# Altium PCB Industrial-IO.PcbDoc (part 1 of 2)
Units mil, origin at the board's own origin, x right, y up, seen from the top; angles counter-clockwise.
Board outline 4527.56 x 2677.17 mil, 2 copper layers (Top Layer, Bottom Layer); 229 components, 299 nets, 967 pads, 166 vias.
Unrouted connection lines stored in the file: 79.
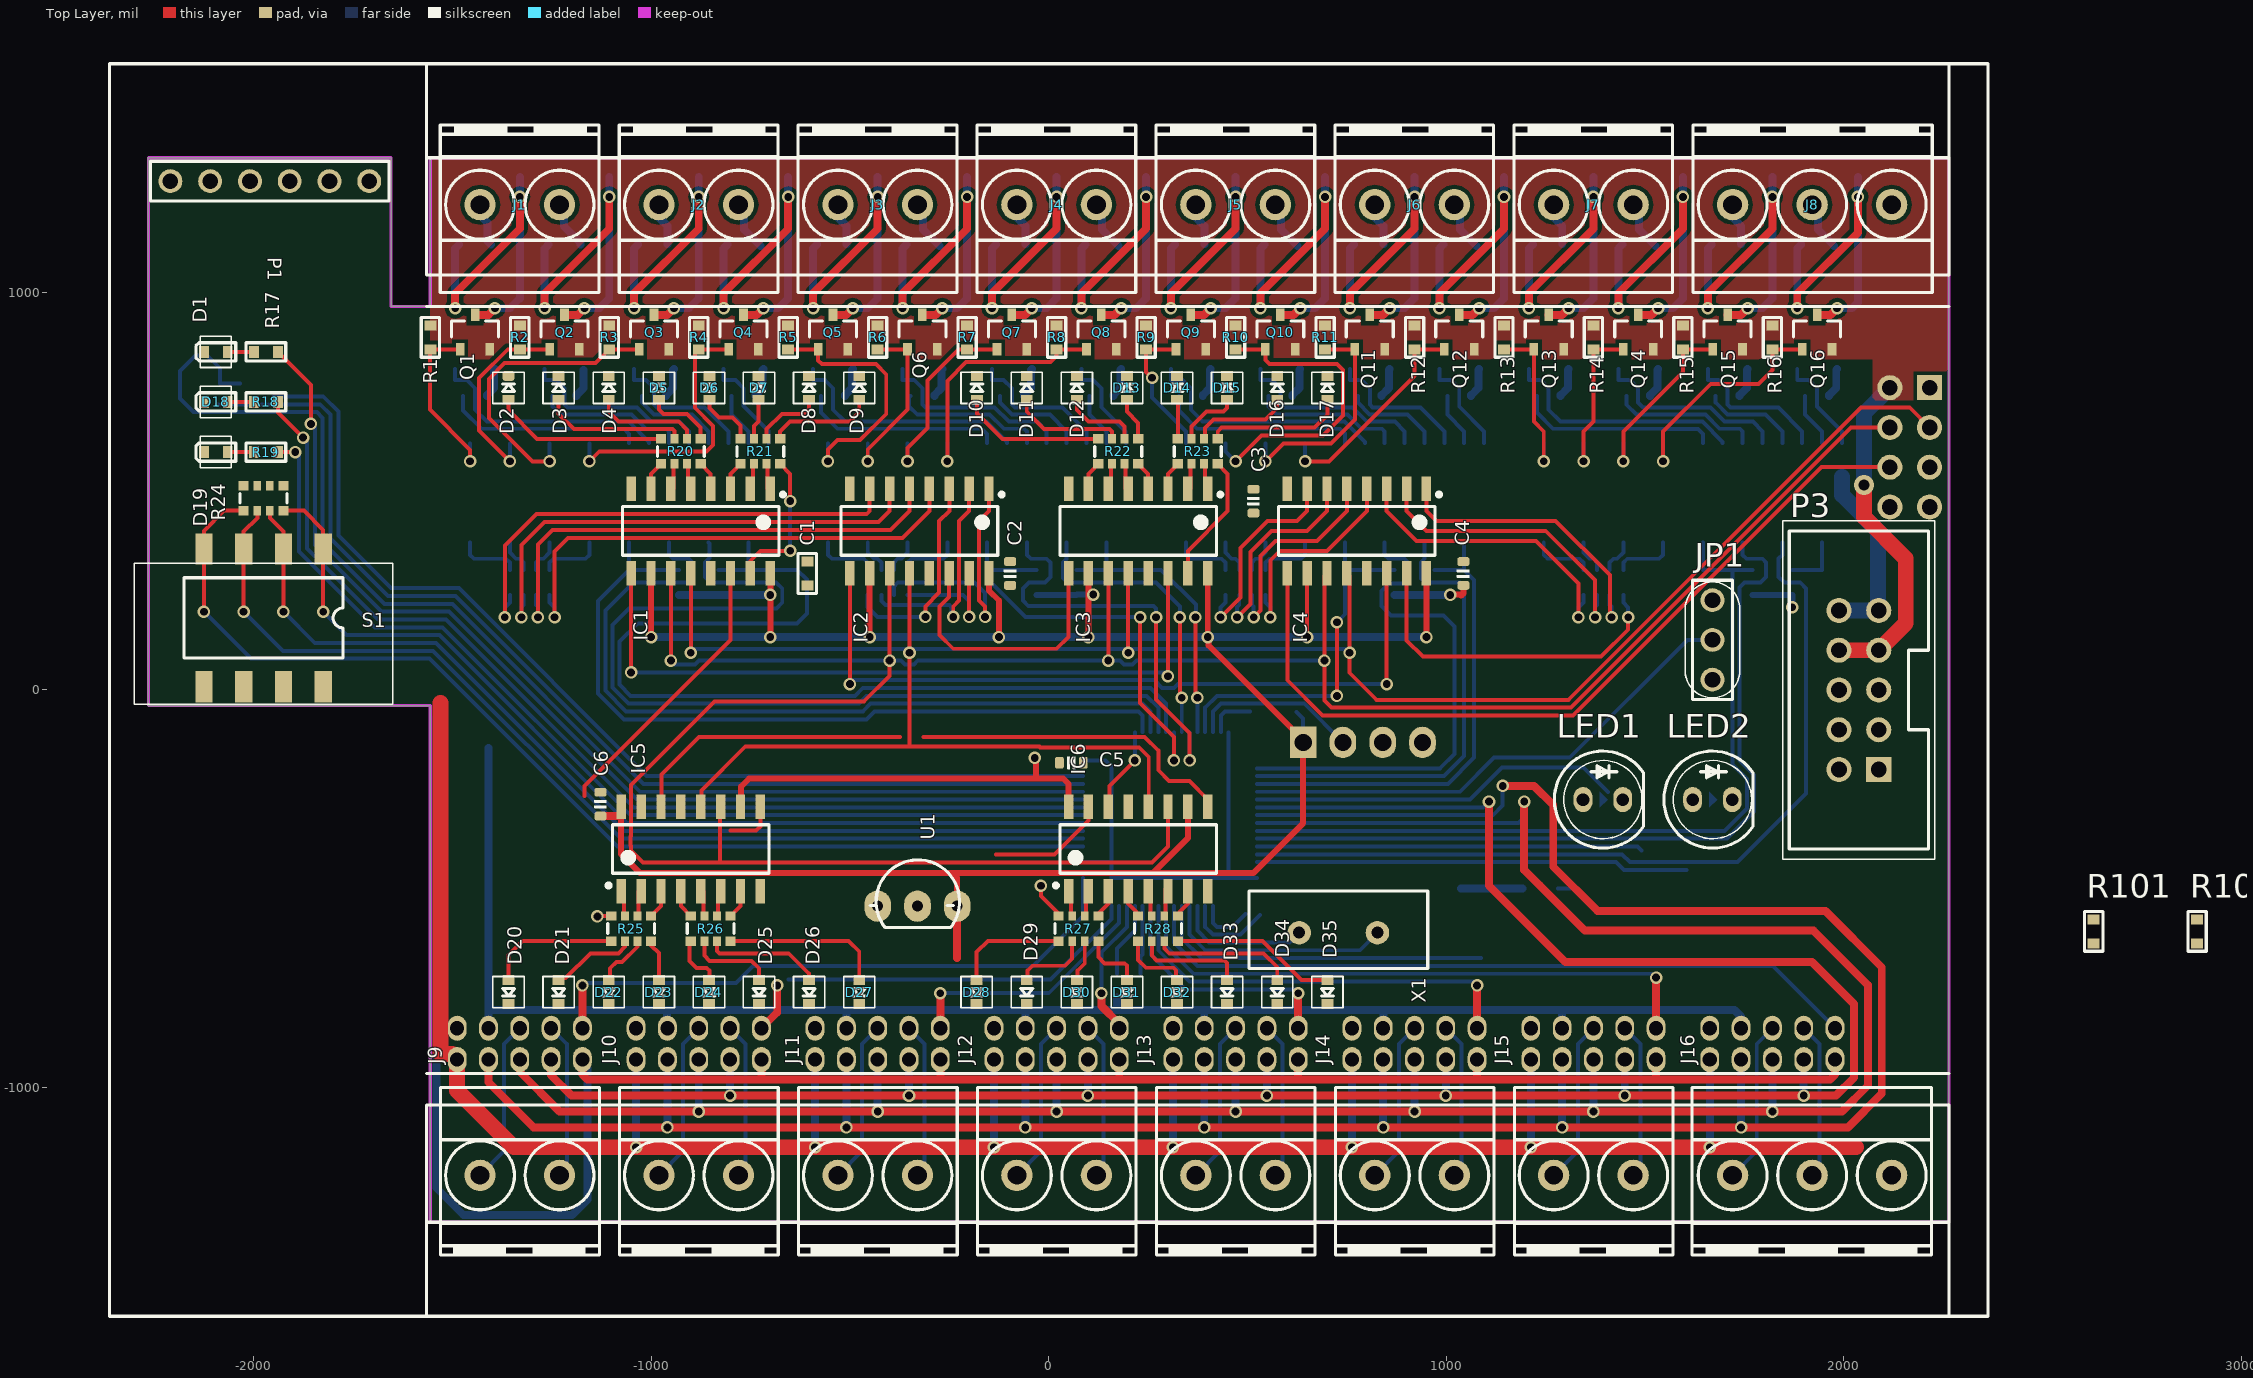
[diagram p0: Top Layer view]
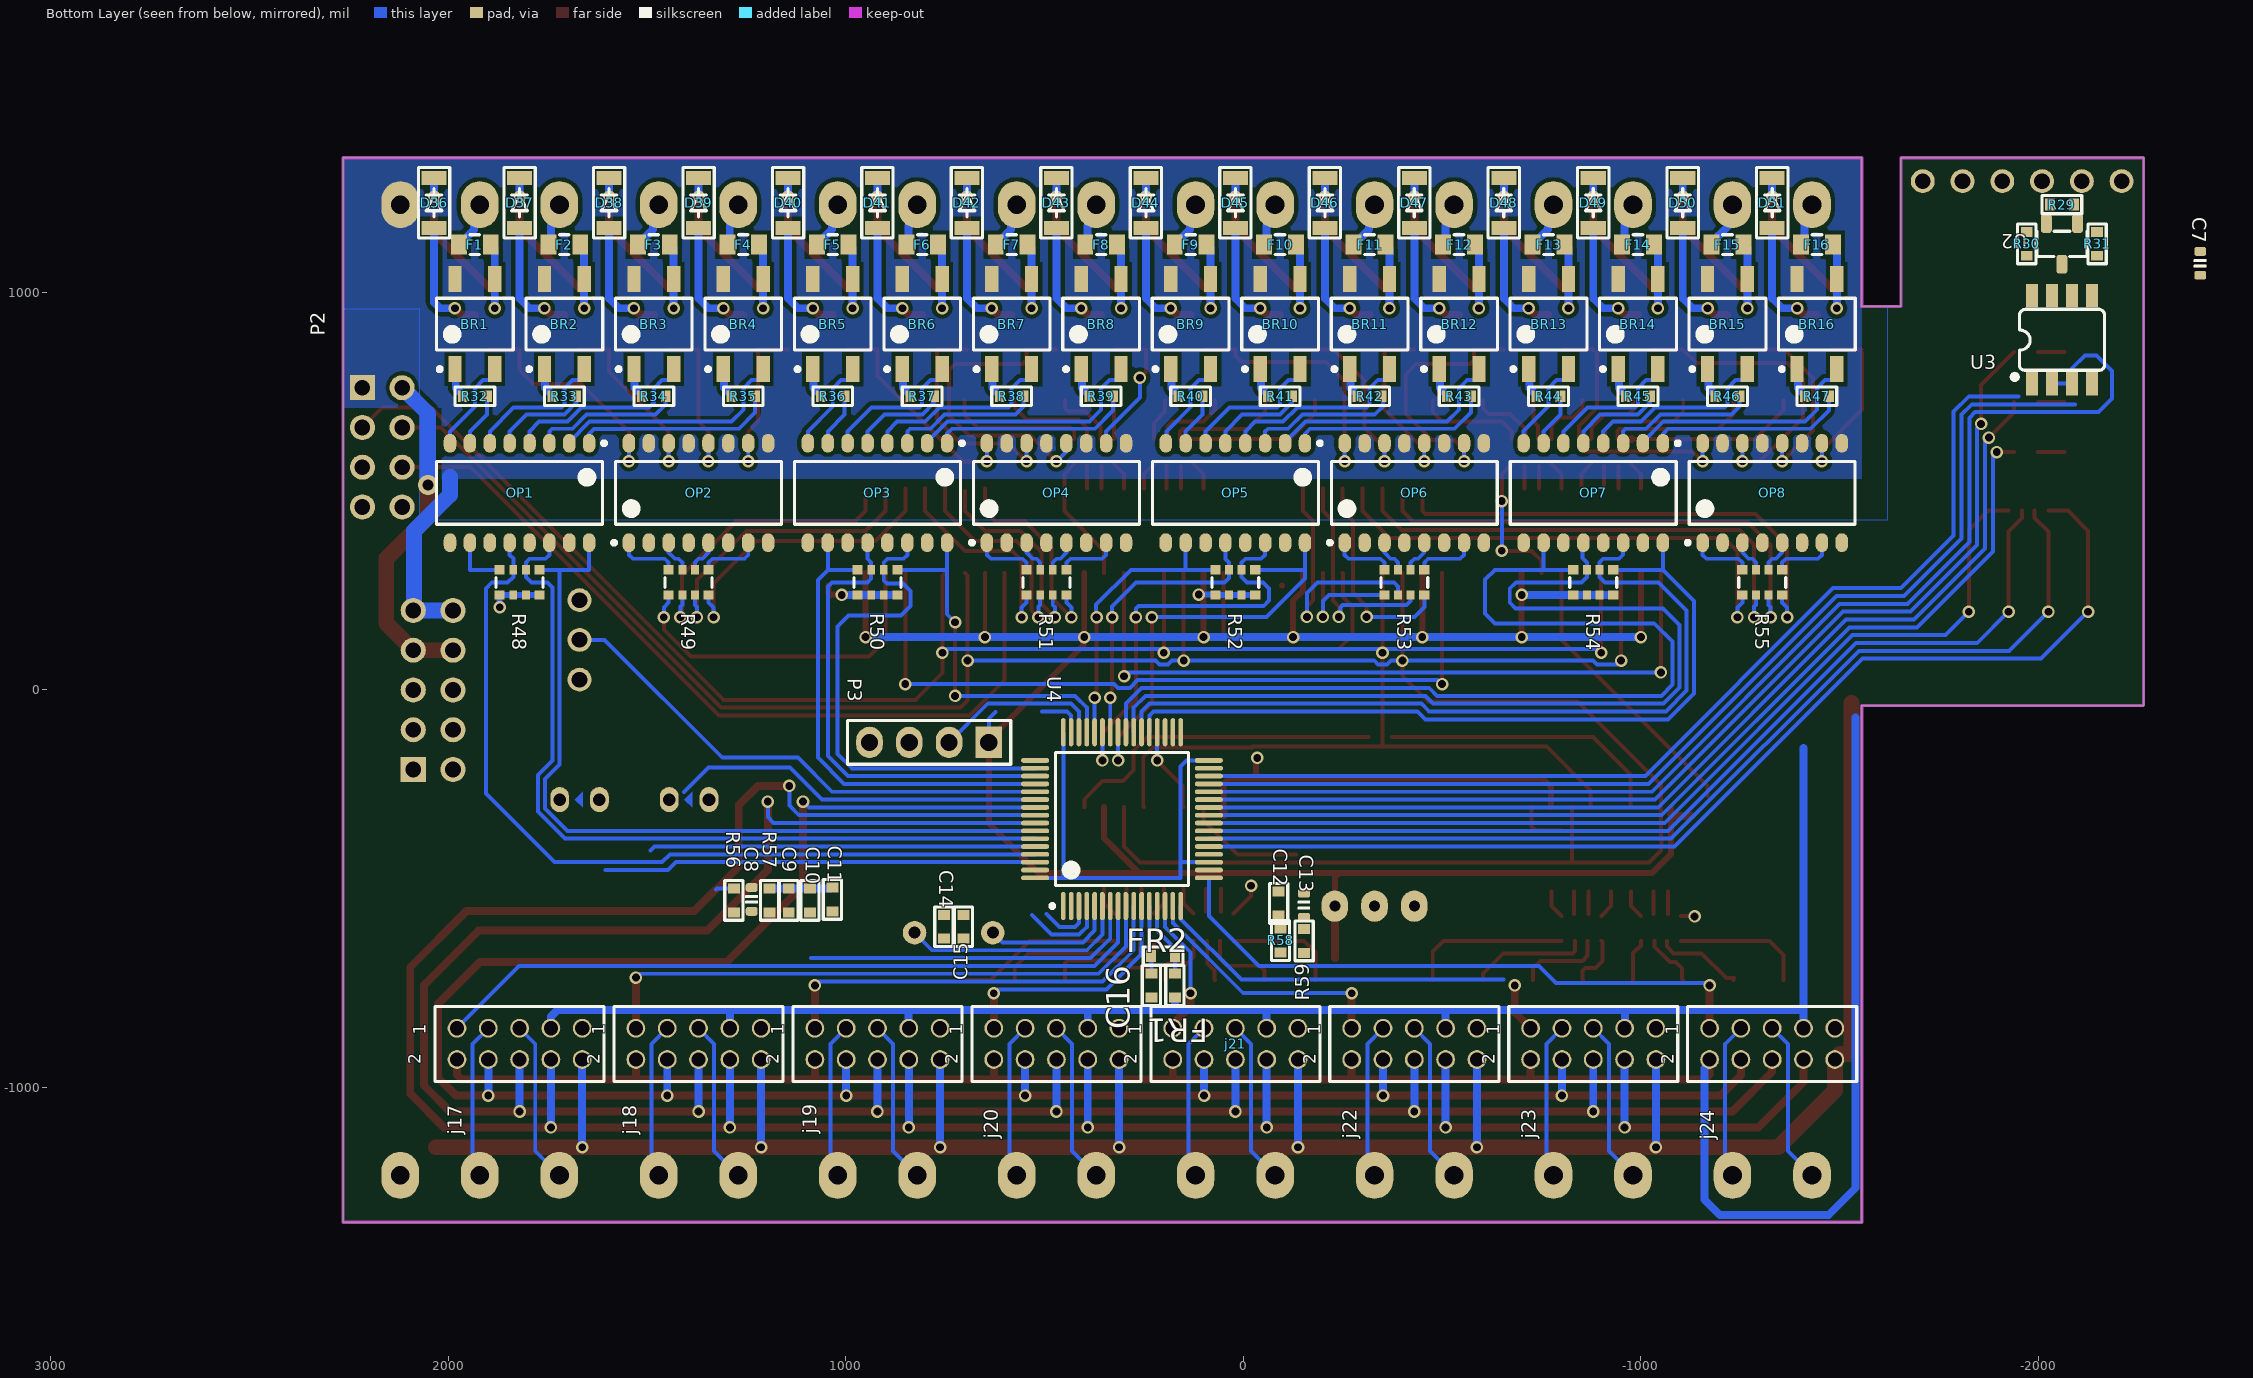
[diagram p1: Bottom Layer view, seen from below]

## Layer stack, top to bottom
Top Solder: solder mask 0.4, Solder Resist, Dk 3.5
Top Layer: signal copper 1.4
Dielectric 1: dielectric 12.6, FR-4, Dk 4.8
Bottom Layer: signal copper 1.4
Bottom Solder: solder mask 0.4, Solder Resist, Dk 3.5

## Board outline
-2263.78,-39.37 -2263.78,1338.58 -1653.54,1338.58 -1653.54,964.57 -1555.12,964.57 -1555.12,1338.58 2263.78,1338.58 2263.78,-1338.58 -1555.12,-1338.58 -1555.12,-39.37

## Design rules (kind name [scope] priority, off if disabled: settings)
Clearance [All] p1: gap=7.87 ignorepadtopadclearanceinfootprint=TRUE except(10: Arc-Poly Track-Poly SMDPad-Poly THPad-Poly Via-Poly Fill-Poly Poly-Poly)
DiffPairsRouting [All] p1: maxlimit=10 minlimit=10 mostfreqgap=10 toplayer_minwidth=15 toplayer_maxwidth=15 toplayer_prefwidth=15 bottomlayer_minwidth=15 bottomlayer_maxwidth=15 bottomlayer_prefwidth=15 maxuncoupledlength=500
PolygonConnect [All] p1: connectstyle=Direct reliefconductorwidth=10 reliefentries=4 polygonreliefangle="90 Angle" airgapwidth=10
RoutingVias [All] p1: holewidth=28 width=50 viastyle="Through Hole" minholewidth=19.68 minwidth=31.5 maxholewidth=28 maxwidth=50
SolderMaskExpansion [All] p1: expansion=4
UnRoutedNet [All] p1: checkbadconnections=TRUE
Width [All] p1: maxlimit=40 minlimit=10 preferedwidth=10
28 further rules are at their usual default settings.

## Classes and differential pairs
component class "Digital Input": BR1 BR2 BR3 BR4 BR5 BR6 BR7 BR8 BR9 BR10 BR11 BR12 BR13 BR14 BR15 BR16 OP1 OP5 OP7 R32 R33 R34 R35 R36 R37 R38 R39 R40 R41 R42 R43 R44 R45 R46 R47 R48 R50 R52 R54
component class connector: F1 F2 F3 F4 F5 F6 F7 F8 F9 F10 F11 F12 F13 F14 F15 F16 J1 J2 J3 J4 J5 J6 J7 J8 J9 J10 J11 J12 J13 J14 J15 J16 j17 j18 J18 J19 j19 J20 j20 j21 j22 J23 j23 j24 J24 j? J? P1 P2 P3 P?
component class CPU: C1 C2 C8 C9 C10 C11 C12 C14 C15 C16 C? D1 D18 D19 FR1 FR2 FR? JP1 P3 P? R17 R18 R19 R24 R29 R30 R31 R56 R57 R58 R59 S1 S? U1 U2 U3 U4 U? X1 X?
component class Indicator: C3 C4 C5 C6 C7 C13 C? D2 D3 D4 D5 D6 D7 D8 D9 D10 D11 D12 D13 D14 D15 D16 D17 D20 D21 D22 D23 D24 D25 D26 D27 D28 D29 D30 D31 D32 D33 D34 D35 IC1 IC2 IC3 IC5 IC6 IC? LED1 LED2 R20 R21 R22 R23 R25 R26 R27 R28 R100 R101
component class "Digital Outputs": BR? C? D36 D37 D38 D39 D40 D41 D42 D43 D44 D45 D46 D47 D48 D49 D50 D51 F? IC? J? OP2 OP4 OP6 OP8 OP9 Q1 Q2 Q3 Q4 Q5 Q6 Q7 Q8 Q9 Q10 Q11 Q12 Q13 Q14 Q15 Q16 Q? R1 R2 R3 R4 R5 R6 R7 R8 R9 R10 R11 R12 R13 R14 R15 R16 R49 R51 R53 R55
differential pair R: +R_P -R_N
differential pair RS485: +RS485_P -RS485_N

## Components (designator, comment, footprint, x,y, rotation, side; value= is the part's Value field where it differs from the comment)
BR1 "Bridge" SOP254P690X270-4L 1932.5,920 r90 bottom
BR2 "Bridge" SOP254P690X270-4L 1707.5,920 r90 bottom
BR3 "Bridge" SOP254P690X270-4L 1482.5,920 r90 bottom
BR4 "Bridge" SOP254P690X270-4L 1257.5,920 r90 bottom
BR5 "Bridge" SOP254P690X270-4L 1032.5,920 r90 bottom
BR6 "Bridge" SOP254P690X270-4L 807.5,920 r90 bottom
BR7 "Bridge" SOP254P690X270-4L 582.5,920 r90 bottom
BR8 "Bridge" SOP254P690X270-4L 357.5,920 r90 bottom
BR9 "Bridge" SOP254P690X270-4L 132.5,920 r90 bottom
BR10 "Bridge" SOP254P690X270-4L -92.5,920 r90 bottom
BR11 "Bridge" SOP254P690X270-4L -317.5,920 r90 bottom
BR12 "Bridge" SOP254P690X270-4L -542.5,920 r90 bottom
BR13 "Bridge" SOP254P690X270-4L -767.5,920 r90 bottom
BR14 "Bridge" SOP254P690X270-4L -992.5,920 r90 bottom
BR15 "Bridge" SOP254P690X270-4L -1217.5,920 r90 bottom
BR16 "Bridge" SOP254P690X270-4L -1442.5,920 r90 bottom
C1 "100nF" "CAP 0603 100n" -607.01,292.99 r90 top
C2 "100nF" CAP_0603 -97.01,292.99 r90 top
C3 "100nF" CAP_0603 515,475 r90 top
C4 "100nF" CAP_0603 1042.99,292.99 r90 top
C5 "100nF" CAP_0603 57.09,-183.07 r0 top
C6 "100nF" CAP_0603 -1127.01,-287.01 r90 top
C7 "100nF" CAP_0603 -2406.5,1072.83 r90 bottom
C8 "100nF" CAP_0603 1236.3,-526.77 r90 bottom
C9 "4.7uF" "CAP 0603 4.7u" 1143.17,-529.05 r270 bottom
C10 "10nF" "CAP 0603 10n" 1090.04,-529.05 r270 bottom
C11 "10nF" "CAP 0603 10n" 1033.46,-526.57 r270 bottom
C12 "1uF" "CAP 0603 1u" -88.58,-536.42 r270 bottom
C13 "100nF" CAP_0603 -152.56,-541.34 r90 bottom
C14 "22pF" "CAP 0603 22p" 752.95,-595.47 r90 bottom
C15 "22pF" "CAP 0603 22p" 703.74,-595.47 r90 bottom
C16 "100nF" "CAP 0603 100n" 201.77,-669.29 r0 bottom
D1 "LED" "LED 0603 RED" -2094.49,850.39 r180 top
D2 "LED" "LED 0603 GREEN"#1 -1358.27,759.84 r90 top locked
D3 "LED" "LED 0603 GREEN"#2 -1232.28,759.84 r90 top locked
D4 "LED" "LED 0603 GREEN"#2 -1106.3,759.84 r90 top locked
D5 "LED" "LED 0603 GREEN"#2 -980.31,759.84 r90 top locked
D6 "LED" "LED 0603 GREEN"#2 -853.35,759.84 r90 top locked
D7 "LED" "LED 0603 GREEN"#2 -729.33,759.84 r90 top locked
D8 "LED" "LED 0603 GREEN"#2 -602.36,759.84 r90 top locked
D9 "LED" "LED 0603 GREEN"#2 -476.38,759.84 r90 top locked
D10 "LED" "LED 0603 GREEN"#2 -180.65,759.84 r90 top locked
D11 "LED" "LED 0603 GREEN"#2 -55.12,759.84 r90 top locked
D12 "LED" "LED 0603 GREEN"#2 70.87,759.84 r90 top locked
D13 "LED" "LED 0603 GREEN"#2 196.85,759.84 r90 top locked
D14 "LED" "LED 0603 GREEN"#2 322.83,759.84 r90 top locked
D15 "LED" "LED 0603 GREEN"#2 448.82,759.84 r90 top locked
D16 "LED" "LED 0603 GREEN"#2 574.8,759.84 r90 top locked
D17 "LED" "LED 0603 GREEN"#2 700.79,759.84 r90 top locked
D18 "LED" "LED 0603 GREEN"#2 -2094.49,724.41 r180 top
D19 "LED" "LED 0603 GREEN"#2 -2094.49,598.43 r180 top
D20 "LED" "LED 0603 GREEN"#2 -1358.27,-759.84 r270 top locked
D21 "LED" "LED 0603 GREEN"#2 -1232.28,-759.84 r270 top locked
D22 "LED" "LED 0603 GREEN"#2 -1106.3,-759.84 r270 top locked
D23 "LED" "LED 0603 GREEN"#2 -980.31,-759.84 r270 top locked
D24 "LED" "LED 0603 GREEN"#2 -854.33,-759.84 r270 top locked
D25 "LED" "LED 0603 GREEN"#2 -728.35,-759.84 r270 top locked
D26 "LED" "LED 0603 GREEN"#2 -602.36,-759.84 r270 top locked
D27 "LED" "LED 0603 GREEN"#2 -476.38,-759.84 r270 top locked
D28 "LED" "LED 0603 GREEN"#2 -181.1,-759.84 r270 top locked
D29 "LED" "LED 0603 GREEN"#2 -55.12,-759.84 r270 top locked
D30 "LED" "LED 0603 GREEN"#2 70.87,-759.84 r270 top locked
D31 "LED" "LED 0603 GREEN"#2 196.85,-759.84 r270 top locked
D32 "LED" "LED 0603 GREEN"#2 322.83,-759.84 r270 top locked
D33 "LED" "LED 0603 GREEN"#2 448.82,-759.84 r270 top locked
D34 "LED" "LED 0603 GREEN"#2 574.8,-759.84 r270 top locked
D35 "LED" "LED 0603 GREEN"#2 700.79,-759.84 r270 top locked
D36 "Diode" DIOMELF3515L 2035,1225 r270 bottom
D37 "Diode" DIOMELF3515L 1820,1225 r270 bottom
D38 "Diode" DIOMELF3515L 1595,1225 r270 bottom
D39 "Diode" DIOMELF3515L 1370,1225 r270 bottom
D40 "Diode" DIOMELF3515L 1145,1225 r270 bottom
D41 "Diode" DIOMELF3515L 920,1225 r270 bottom
D42 "Diode" DIOMELF3515L 695,1225 r270 bottom
D43 "Diode" DIOMELF3515L 470,1225 r270 bottom
D44 "Diode" DIOMELF3515L 245,1225 r270 bottom
D45 "Diode" DIOMELF3515L 20,1225 r270 bottom
D46 "Diode" DIOMELF3515L -205,1225 r270 bottom
D47 "Diode" DIOMELF3515L -430,1225 r270 bottom
D48 "Diode" DIOMELF3515L -655,1225 r270 bottom
D49 "Diode" DIOMELF3515L -880,1225 r270 bottom
D50 "Diode" DIOMELF3515L -1105,1225 r270 bottom
D51 "Diode" DIOMELF3515L -1330,1225 r270 bottom
F1 "Fuse" "Fuse 0805" 1932.5,1120 r0 bottom
F2 "Fuse" "Fuse 0805" 1707.5,1120 r0 bottom
F3 "Fuse" "Fuse 0805" 1482.5,1120 r0 bottom
F4 "Fuse" "Fuse 0805" 1257.5,1120 r0 bottom
F5 "Fuse" "Fuse 0805" 1032.5,1120 r0 bottom
F6 "Fuse" "Fuse 0805" 807.5,1120 r0 bottom
F7 "Fuse" "Fuse 0805" 582.5,1120 r0 bottom
F8 "Fuse" "Fuse 0805" 357.5,1120 r0 bottom
F9 "Fuse" "Fuse 0805" 132.5,1120 r0 bottom
F10 "Fuse" "Fuse 0805" -92.5,1120 r0 bottom
F11 "Fuse" "Fuse 0805" -317.5,1120 r0 bottom
F12 "Fuse" "Fuse 0805" -542.5,1120 r0 bottom
F13 "Fuse" "Fuse 0805" -767.5,1120 r0 bottom
F14 "Fuse" "Fuse 0805" -992.5,1120 r0 bottom
F15 "Fuse" "Fuse 0805" -1217.5,1120 r0 bottom
F16 "Fuse" "Fuse 0805" -1442.5,1120 r0 bottom
FR1 "0Ω" "RES 0603 0" 231.3,-743.11 r270 bottom
FR2 "0Ω" "RES 0603 0" 172.24,-743.11 r90 bottom
IC1 "SN74HC595D" SOIC127P600X175-16N -875,400 r270 top
IC2 "SN74HC595D" SOIC127P600X175-16N -325,400 r270 top
IC3 "SN74HC595D" SOIC127P600X175-16N 225,400 r270 top
IC4 "SN74HC595D" SOIC127P600X175-16N 775,400 r270 top
IC5 "SN74HC595D" SOIC127P600X175-16N -900,-400 r90 top
IC6 "SN74HC595D" SOIC127P600X175-16N 225,-400 r90 top
J1 "CONN_TB2" TBG_2 -1330,1220.47 r0 top
J2 "CONN_TB2" TBG_2 -880,1220.47 r0 top
J3 "CONN_TB2" TBG_2 -430,1220.47 r0 top
J4 "CONN_TB2" TBG_2 20,1220.47 r0 top
J5 "CONN_TB2" TBG_2 470,1220.47 r0 top
J6 "CONN_TB2" TBG_2 920,1220.47 r0 top
J7 "CONN_TB2" TBG_2 1370,1220.47 r0 top
J8 "CONN_TB3" TBG_3 1920,1220.47 r0 top
J9 "CONN_TB2" TBG_2 -1330,-1220.47 r180 top
J10 "CONN_TB2" TBG_2 -880,-1220.47 r180 top
J11 "CONN_TB2" TBG_2 -430,-1220.47 r180 top
J12 "CONN_TB2" TBG_2 20,-1220.47 r180 top
J13 "CONN_TB2" TBG_2 470,-1220.47 r180 top
J14 "CONN_TB2" TBG_2 920,-1220.47 r180 top
J15 "CONN_TB2" TBG_2 1370,-1220.47 r180 top
J16 "CONN_TB3" TBG_3 1920,-1220.47 r180 top
j17 "Header 2X5" HDR2_F_2X5 1820,-890 r180 bottom
j18 "Header 2X5" HDR2_F_2X5 1370,-890 r180 bottom
j19 "Header 2X5" HDR2_F_2X5 920,-890 r180 bottom
j20 "Header 2X5" HDR2_F_2X5 470,-890 r180 bottom
j21 "Header 2X5" HDR2_F_2X5 20,-890 r180 bottom
j22 "Header 2X5" HDR2_F_2X5 -430,-890 r180 bottom
j23 "Header 2X5" HDR2_F_2X5 -880,-890 r180 bottom
j24 "Header 2X5" HDR2_F_2X5 -1330,-890 r180 bottom
JP1 "Jumper 3" "Jumper 3 Blue" 1669.29,125.98 r90 top
LED1 "LED5MM_GRN" LED5MM_GRN 1393.7,-275.59 r0 top
LED2 "LED5MM_RED" LED5MM_RED 1669.29,-275.59 r0 top
OP1 "TLP281-4" "SO16 TOSHIBA OPTOCOUPLER" 1820,495.47 r270 bottom
OP2 "TLP281-4" "SO16 TOSHIBA OPTOCOUPLER" 1370,495.47 r90 bottom
OP3 "TLP281-4" "SO16 TOSHIBA OPTOCOUPLER" 920,495.47 r270 bottom
OP4 "TLP281-4" "SO16 TOSHIBA OPTOCOUPLER" 470,495.47 r90 bottom
OP5 "TLP281-4" "SO16 TOSHIBA OPTOCOUPLER" 20,495.47 r270 bottom
OP6 "TLP281-4" "SO16 TOSHIBA OPTOCOUPLER" -430,495.47 r90 bottom
OP7 "TLP281-4" "SO16 TOSHIBA OPTOCOUPLER" -880,495.47 r270 bottom
OP8 "TLP281-4" "SO16 TOSHIBA OPTOCOUPLER" -1330,495.47 r90 bottom
P1 "Header 6" "Header 6" -1958.66,1279.53 r180 top
P2 "Header 2x4" "HDR 2X4 M ST 2.54" 2165.35,610.24 r90 bottom
P3 "Header 2X5" "IDC 2X5 M ST 2.54" 2037.4,0 r270 top
P3 "Header 4" CON_MALE_4_2.54MM 640,-131.79 r0 bottom
Q1 "MOSFET P" SOT23 -1442.5,900 r90 top
Q2 "MOSFET P" SOT23 -1217.5,900 r90 top
Q3 "MOSFET P" SOT23 -992.5,900 r90 top
Q4 "MOSFET P" SOT23 -767.5,900 r90 top
Q5 "MOSFET P" SOT23 -542.5,900 r90 top
Q6 "MOSFET P" SOT23 -317.5,900 r90 top
Q7 "MOSFET P" SOT23 -92.5,900 r90 top
Q8 "MOSFET P" SOT23 132.5,900 r90 top
Q9 "MOSFET P" SOT23 357.5,900 r90 top
Q10 "MOSFET P" SOT23 582.5,900 r90 top
Q11 "MOSFET P" SOT23 807.5,900 r90 top
Q12 "MOSFET P" SOT23 1032.5,900 r90 top
Q13 "MOSFET P" SOT23 1257.5,900 r90 top
Q14 "MOSFET P" SOT23 1482.5,900 r90 top
Q15 "MOSFET P" SOT23 1707.5,900 r90 top
Q16 "MOSFET P" SOT23 1932.5,900 r90 top
R1 "10KΩ" "RES 0603 10K" -1555,886.69 r90 top
R2 "10KΩ" "RES 0603 10K" -1330,886.69 r90 top
R3 "10KΩ" "RES 0603 10K" -1105,886.69 r90 top
R4 "10KΩ" "RES 0603 10K" -880,886.69 r90 top
R5 "10KΩ" "RES 0603 10K" -655,886.69 r90 top
R6 "10KΩ" "RES 0603 10K" -430,886.69 r90 top
R7 "10KΩ" "RES 0603 10K" -205,886.69 r90 top
R8 "10KΩ" "RES 0603 10K" 20,886.69 r90 top
R9 "10KΩ" "RES 0603 10K" 245,886.69 r90 top
R10 "10KΩ" "RES 0603 10K" 470,886.69 r90 top
R11 "10KΩ" "RES 0603 10K" 695,886.69 r90 top
R12 "10KΩ" "RES 0603 10K" 920,886.69 r90 top
R13 "10KΩ" "RES 0603 10K" 1145,886.69 r90 top
R14 "10KΩ" "RES 0603 10K" 1370,886.69 r90 top
R15 "10KΩ" "RES 0603 10K" 1595,886.69 r90 top
R16 "10KΩ" "RES 0603 10K" 1820,886.69 r90 top
R17 "100Ω" "RES 0603 100" -1968.5,850.39 r0 top
R18 "100Ω" "RES 0603 100" -1968.5,724.41 r0 top
R19 "100Ω" "RES 0603 100" -1968.5,598.43 r0 top
R20 "100Ω" "RES ARRAY 4X0603 100" -925,600 r180 top
R21 "100Ω" "RES ARRAY 4X0603 100" -725,600 r180 top
R22 "100Ω" "RES ARRAY 4X0603 100" 175,600 r180 top
R23 "100Ω" "RES ARRAY 4X0603 100" 375,600 r180 top
R24 "4X10K" "RES ARRAY 4X0603 1.2K" -1974.41,482.28 r0 top
R25 "100Ω" "RES ARRAY 4X0603 100" -1050,-600 r0 top
R26 "100Ω" "RES ARRAY 4X0603 100" -850,-600 r0 top
R27 "100Ω" "RES ARRAY 4X0603 100" 75,-600 r0 top
R28 "100Ω" "RES ARRAY 4X0603 100" 275,-600 r0 top
R29 "120Ω" "RES 0603 120" -2058.66,1220.47 r0 bottom
R30 "120Ω" "RES 0603 120" -1970.08,1122.05 r90 bottom
R31 "120Ω" "RES 0603 120" -2147.24,1122.05 r90 bottom
R32 "10KΩ" "RES 0603 10K" 1932.5,738.75 r180 bottom
R33 "10KΩ" "RES 0603 10K" 1707.5,738.75 r180 bottom
R34 "10KΩ" "RES 0603 10K" 1482.5,738.75 r180 bottom
R35 "10KΩ" "RES 0603 10K" 1257.5,738.75 r180 bottom
R36 "10KΩ" "RES 0603 10K" 1032.5,738.75 r180 bottom
R37 "10KΩ" "RES 0603 10K" 807.5,738.75 r180 bottom
R38 "10KΩ" "RES 0603 10K" 582.5,738.75 r180 bottom
R39 "10KΩ" "RES 0603 10K" 357.5,738.75 r180 bottom
R40 "10KΩ" "RES 0603 10K" 132.5,738.75 r180 bottom
R41 "10KΩ" "RES 0603 10K" -92.5,738.75 r180 bottom
R42 "10KΩ" "RES 0603 10K" -317.5,738.75 r180 bottom
R43 "10KΩ" "RES 0603 10K" -542.5,738.75 r180 bottom
R44 "10KΩ" "RES 0603 10K" -767.5,738.75 r180 bottom
R45 "10KΩ" "RES 0603 10K" -992.5,738.75 r180 bottom
R46 "10KΩ" "RES 0603 10K" -1217.5,738.75 r180 bottom
R47 "10KΩ" "RES 0603 10K" -1442.5,738.75 r180 bottom
R48 "10KΩ" "RES ARRAY 4X0603 10K" 1820,270.47 r0 bottom
R49 "1KΩ" "RES ARRAY 4X0603 1K" 1395,270.47 r180 bottom
R50 "10KΩ" "RES ARRAY 4X0603 10K" 920,270.47 r0 bottom
R51 "1KΩ" "RES ARRAY 4X0603 1K" 495,270.47 r180 bottom
R52 "10KΩ" "RES ARRAY 4X0603 10K" 20,270.47 r0 bottom
R53 "1KΩ" "RES ARRAY 4X0603 1K" -405,270.47 r180 bottom
R54 "10KΩ" "RES ARRAY 4X0603 10K" -880,270.47 r0 bottom
R55 "1KΩ" "RES ARRAY 4X0603 1K" -1305,270.47 r180 bottom
R56 "10KΩ" "RES 0603 10K" 1281.3,-529.07 r90 bottom
R57 "10KΩ" "RES 0603 10K" 1191.3,-529.07 r270 bottom
R58 "1KΩ" "RES 0603" -93.5,-629.92 r90 bottom
R59 "4.7KΩ" "RES 0603 4.7K" -153,-631 r90 bottom
R100 "100Ω" "RES 0603 100" 2887.99,-607.01 r90 top
R101 "100Ω" "RES 0603 100" 2627.99,-607.01 r90 top
S1 "106-DHN4-EV" dip_switch4 -1824.41,354.33 r270 top
U1 "DS18B20" SEMI_TO92W -330,-543.7 r0 top
U2 "CDSOT23-SM712" SOT23_3 -2058.66,1122.05 r270 bottom
U3 "ADM485" SEMI_SO8 -2058.66,880.91 r180 bottom
U4 "STM32F101R8T6" LQFP64_N 305.12,-324.8 r90 bottom
X1 "Xtal" XTAL_HC49S 728.35,-610.24 r0 top value=8MHz
